# Altium PCB RTM_SFP.PcbDoc (part 3 of 5) (continued)
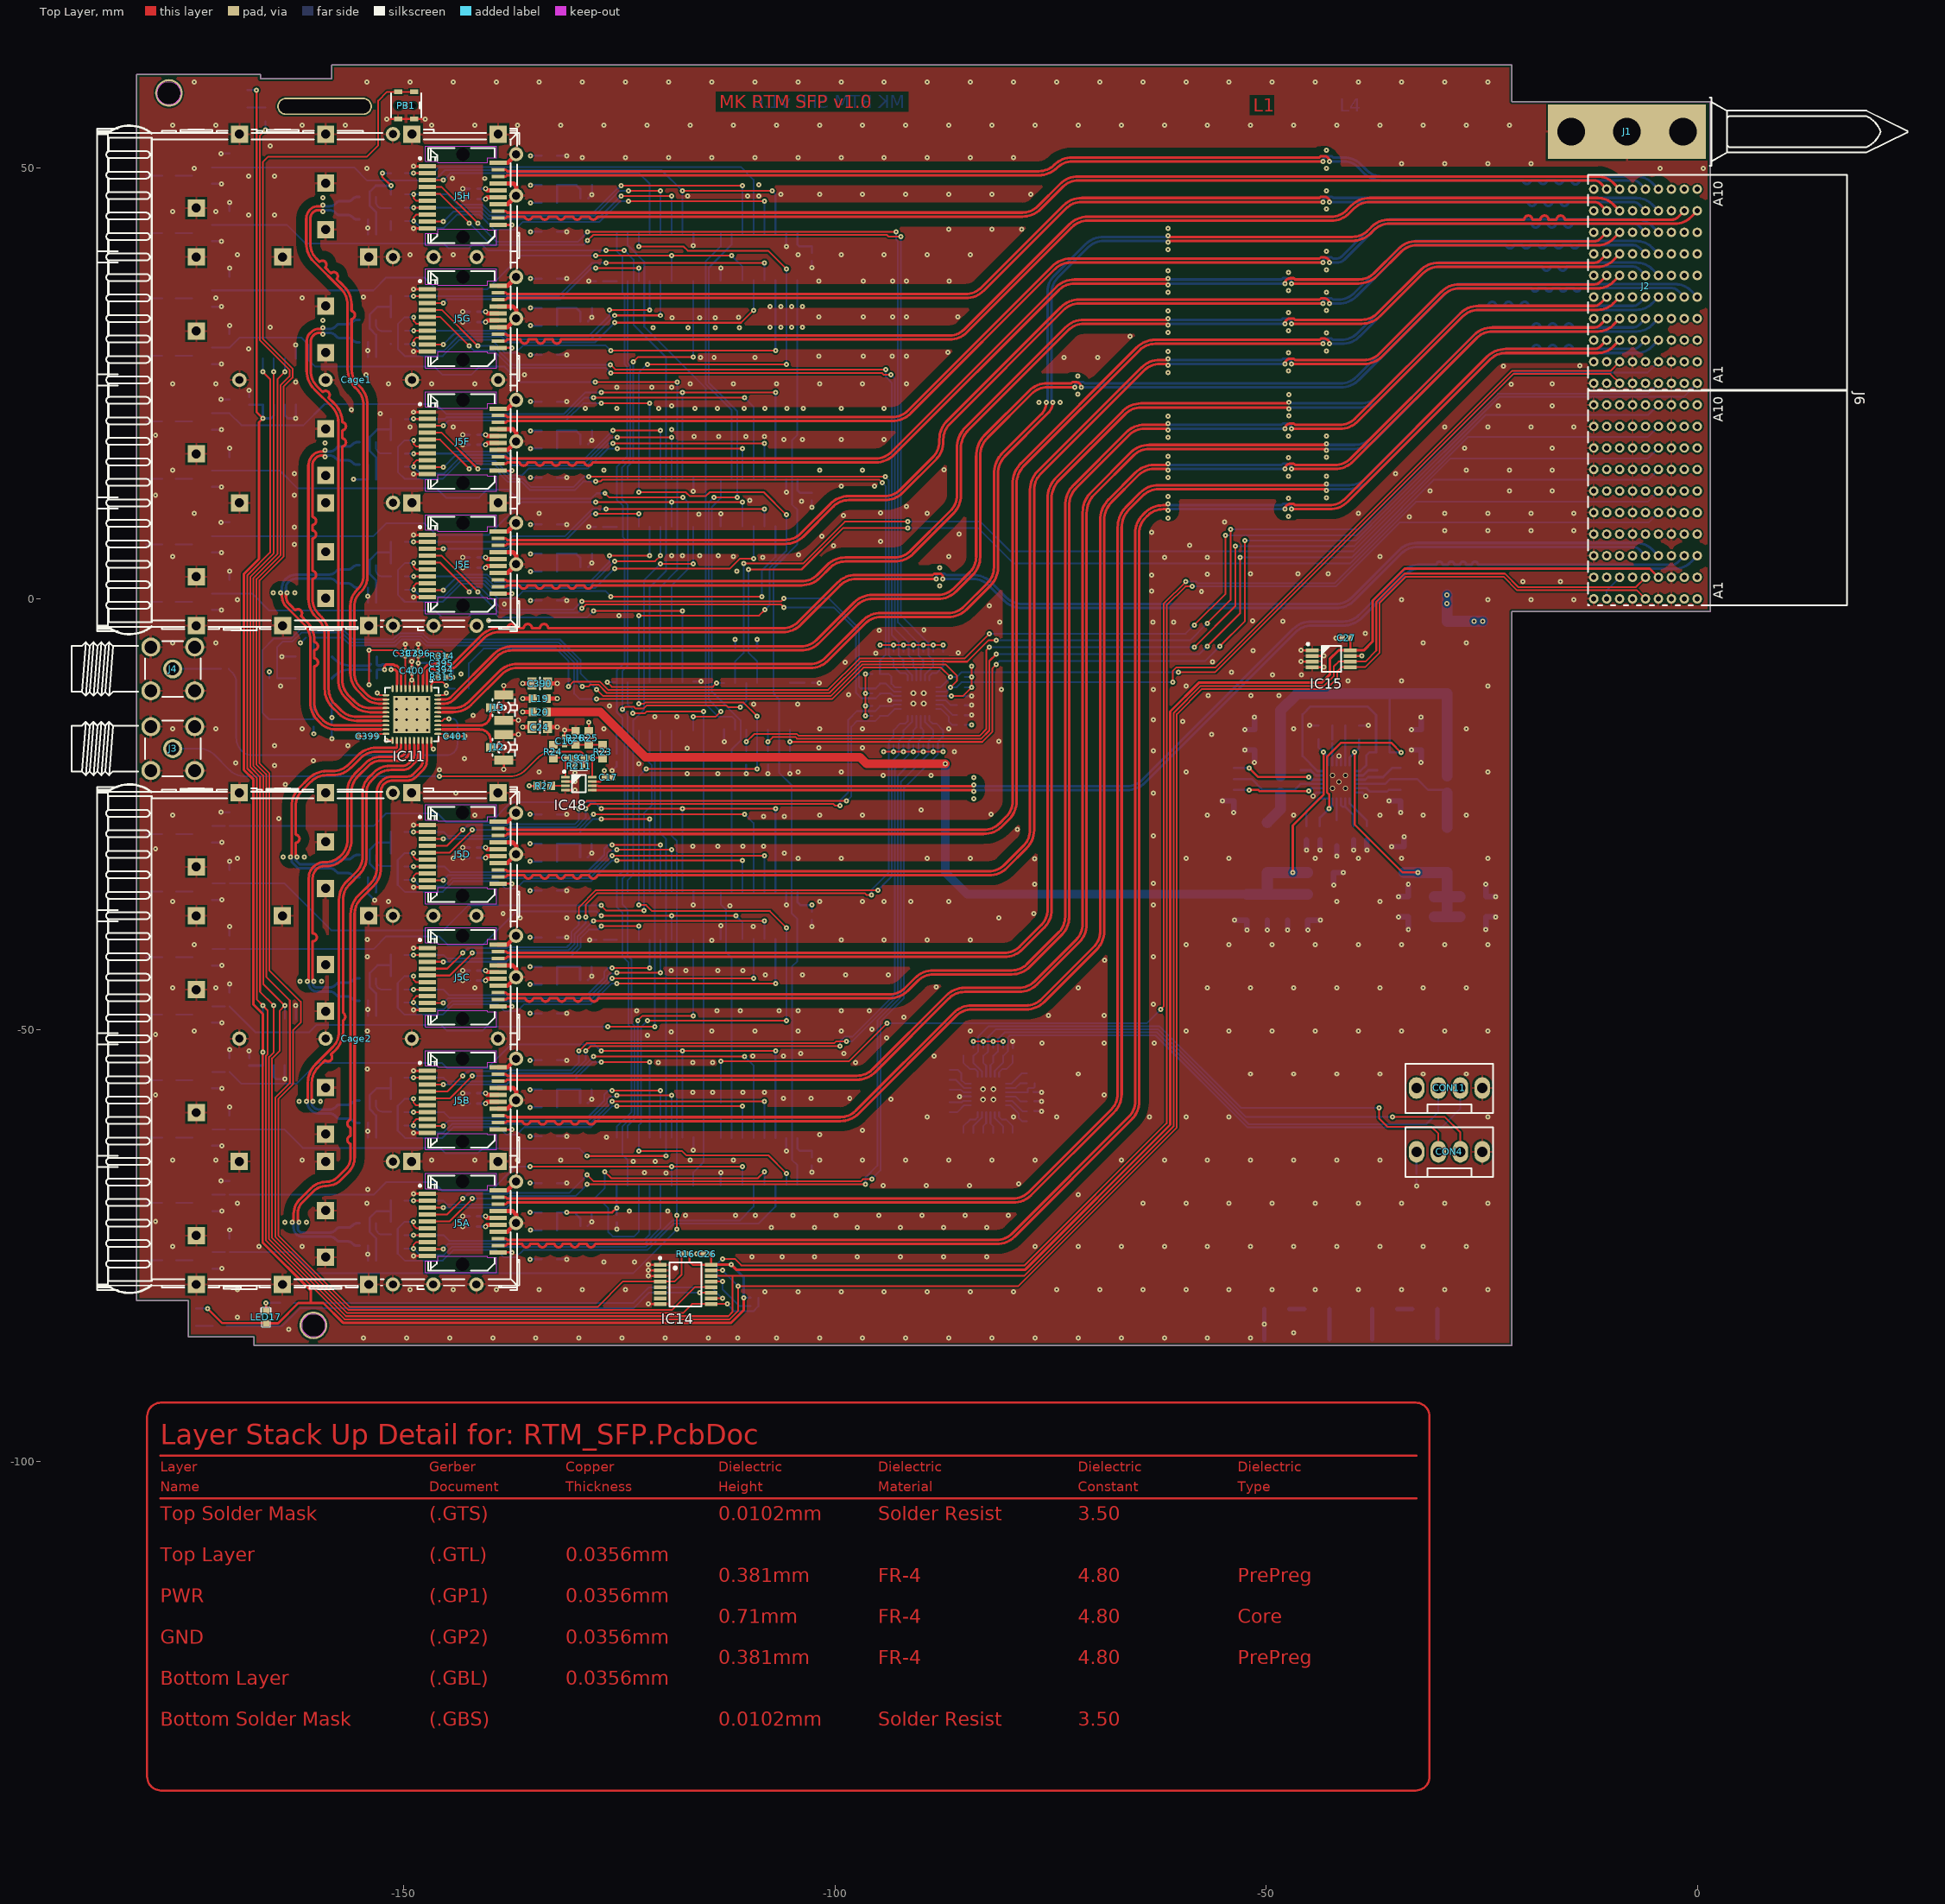
[diagram p0: Top Layer view]
## Nets (pads, with @x,y where several pads share a name; then routed paths per layer and width w, separated by ;. In a path a pad name is that pad's centre, name@x,y a point inside that pad or via, vN(x,y) a via of type N, cw(c..) or ccw(c..) an arc to the next point about the centre after c; other vN are vias at no path point) (continued)
NetLD2H_1: LD2H.1 R11H.2 | length 1.9
  Bottom Layer w0.203: LD2H.1@-179.925,42.425 R11H.2@-178.05,42.425
NetR1A_1: R1A.1 T2A.3 | length 1.9
  Bottom Layer w0.203: R1A.1@-176.41,-70.051 T2A.3@-174.51,-70.051
NetR1B_1: R1B.1 T2B.3 | length 1.9
  Bottom Layer w0.203: R1B.1@-176.425,-55.8 T2B.3@-174.525,-55.8
NetR1C_1: R1C.1 T2C.3 | length 1.9
  Bottom Layer w0.203: R1C.1@-176.425,-41.55 T2C.3@-174.525,-41.55
NetR1D_1: R1D.1 T2D.3 | length 1.9
  Bottom Layer w0.203: R1D.1@-176.425,-27.3 T2D.3@-174.525,-27.3
NetR1E_1: R1E.1 T2E.3 | length 1.9
  Bottom Layer w0.203: R1E.1@-176.45,6.325 T2E.3@-174.55,6.325
NetR1F_1: R1F.1 T2F.3 | length 1.9
  Bottom Layer w0.203: R1F.1@-176.45,20.575 T2F.3@-174.55,20.575
NetR1G_1: R1G.1 T2G.3 | length 1.9
  Bottom Layer w0.203: R1G.1@-176.45,34.825 T2G.3@-174.55,34.825
NetR1H_1: R1H.1 T2H.3 | length 1.9
  Bottom Layer w0.203: R1H.1@-176.45,49.075 T2H.3@-174.55,49.075
NetR11A_1: R11A.1 T1A.3 | length 1.9
  Bottom Layer w0.203: R11A.1@-176.41,-76.701 T1A.3@-174.51,-76.701
NetR11B_1: R11B.1 T1B.3 | length 1.9
  Bottom Layer w0.203: R11B.1@-176.425,-62.45 T1B.3@-174.525,-62.45
NetR11C_1: R11C.1 T1C.3 | length 1.9
  Bottom Layer w0.203: R11C.1@-176.425,-48.2 T1C.3@-174.525,-48.2
NetR11D_1: R11D.1 T1D.3 | length 1.9
  Bottom Layer w0.203: R11D.1@-176.425,-33.95 T1D.3@-174.525,-33.95
NetR11E_1: R11E.1 T1E.3 | length 1.9
  Bottom Layer w0.203: R11E.1@-176.45,-0.325 T1E.3@-174.55,-0.325
NetR11F_1: R11F.1 T1F.3 | length 1.9
  Bottom Layer w0.203: R11F.1@-176.45,13.925 T1F.3@-174.55,13.925
NetR11G_1: R11G.1 T1G.3 | length 1.9
  Bottom Layer w0.203: R11G.1@-176.45,28.175 T1G.3@-174.55,28.175
NetR11H_1: R11H.1 T1H.3 | length 1.9
  Bottom Layer w0.203: R11H.1@-176.45,42.425 T1H.3@-174.55,42.425
NetR19_2: R19.2 R20.1 | length 1.8
  Bottom Layer w0.5: R20.1@-34.8,-82.339 R19.2@-33.05,-82.339
NetR21_2: R21.2 R22.1 | length 1.7
  Bottom Layer w0.5: R22.1@-47.32,-82.339 R21.2@-45.575,-82.339
P2: IC14.12 R7.1 | length 190.1
  Top Layer w0.203: v1(-166.07,54.36) -166.723,53.707 -166.723,30.015 -163.266,26.559 -163.266,25.798 -164.325,24.74 -164.325,5.053 -167.094,2.284 -167.094,-19.227 -165.975,-20.346 -165.975,-43.815 -163.23,-46.56 -163.23,-56.14 -164.93,-57.84 -164.93,-73.963 -156.431,-82.462 -118.912,-82.462 -116.265,-79.815 IC14.12@-114.38,-79.815
  Bottom Layer w0.203: v1(-166.07,54.36) R7.1@-166.07,55.386
P2_BLUE: LDy.1 R7.2 | length 2.1
  Bottom Layer w0.203: LDy.1@-168.151,56.986 R7.2@-166.07,56.986
P2V5: C176.2 C179.2 C180.2 C181.2 C182.2 IC16.1 L2.2 L20.1 R195.1 | length 130.5
  Top Layer w0.254: v1(-46.91,-31.73) -46.91,-26.28 -43.35,-22.72 v1(-43.35,-17.79)
  Top Layer w1: L20.1@-133.43,-13.12 -127.23,-13.12 -122,-18.35 -97.11,-18.35 -96.32,-19.14 v2(-87.21,-19.14)
  Bottom Layer w0.254: R195.1@-43.91,-16.27 -43.91,-17.24 -42.81,-18.34 IC16.1@-42.81,-19.27
  Bottom Layer w1: v2(-87.21,-19.14) -87.21,-31.7 -84.65,-34.26 C181.2@-52.23,-34.26
  Bottom Layer w1.27: C181.2@-52.23,-34.26 C182.2@-49.87,-34.26 ; C179.2@-45.17,-34.26 C180.2@-47.52,-34.26 C182.2@-49.87,-34.26 ; C176.2@-45.17,-31.73 L2.2@-49.87,-31.73 C182.2@-49.87,-34.26
P2V5_CLEAN: C24.2 C399.2 C400.2 C401.2 IC11.5 IC11.6 IC11.11 IC11.20 IC11.31 IC11.40 L20.2 | length 11.2
  Top Layer w0.203: v1(-153.09,-15.92) -152.83,-15.66 IC11.20@-152.08,-15.66 ; v1(-153.09,-10.9) -152.83,-11.16 IC11.11@-152.08,-11.16 ; IC11.6@-149.33,-10.41 -149.33,-9.64 v1(-149.08,-9.39) -148.83,-9.64 IC11.5@-148.83,-10.41 ; IC11.31@-146.08,-15.66 -145.33,-15.66 v1(-145.07,-15.92) ; IC11.40@-146.08,-11.16 -145.33,-11.16 v1(-145.07,-10.9)
  Top Layer w0.254: C399.2@-153.81,-15.92 v1(-153.09,-15.92) ; v1(-149.08,-9.39) C400.2@-149.08,-8.67 ; v1(-145.07,-15.92) C401.2@-144.35,-15.92
  Top Layer w0.5: v2(-136.23,-14.87) C24.2@-135.13,-14.87 ; v2(-136.23,-13.12) L20.2@-135.03,-13.12
P3: IC14.11 R8.1 | length 57.8
  Top Layer w0.203: v1(-115.705,-80.465) IC14.11@-114.38,-80.465
  Bottom Layer w0.203: R8.1@-170.575,-84.289 -164.089,-84.289 -162.06,-82.26 -123.4,-82.26 -121.605,-80.465 v1(-115.705,-80.465)
P3_GREEN: LDx.1 R8.2 | length 1.9
  Bottom Layer w0.203: LDx.1@-174.101,-84.289 R8.2@-172.175,-84.289
P3V3: C1.1 C2.1 C3.1 C4.1 C6.1 C7.1 C8.1 C13A.1 C13B.1 C13C.1 C13D.1 C13E.1 C13F.1 C13G.1 C13H.1 C15.2 C17.1 C20.1 C22.1 C23.1 C186A.1 C186B.1 C186C.1 C186D.1 C186E.1 C186F.1 C186G.1 C186H.1 C202A.2 C202B.2 C202C.2 C202D.2 C202E.2 C202F.2 C202G.2 C202H.2 C208.2 C209.2 C210.2 C213.2 C402.2 C403.2 C404.2 CON4.4 CON11.4 IC1.14 IC2.16 IC3.16 IC4.16 IC5.16 IC6.16 IC7.16 IC8.16 IC9.16 IC10.16 IC16.6 IC20A.1 IC20B.1 IC20C.1 IC20D.1 IC20E.1 IC20F.1 IC20G.1 IC20H.1 IC39.21 IC40.21 IC48.7 L1.2 L5A.1 L5B.1 L5C.1 L5D.1 L5E.1 L5F.1 L5G.1 L5H.1 L11A.1 L11B.1 L11C.1 L11D.1 L11E.1 L11F.1 L11G.1 L11H.1 L19.1 LD1A.2 LD1B.2 LD1C.2 LD1D.2 LD1E.2 LD1F.2 LD1G.2 LD1H.2 LD2A.2 LD2B.2 LD2C.2 LD2D.2 LD2E.2 LD2F.2 LD2G.2 LD2H.2 R25.1 R27.2 R28.2 R29.2 R53.2 R316.2 R317.2 R318.2 R319.2 R320.2 R321.2 R322.2 R323.2 R324.2 R325.2 R328.1 R329.2 R330.2 R331.2 R332.2 R333.2 R334.2 R335.2 R336.2 R337.2 R338.2 R339.2 R340.2 R341.2 R342.2 R343.2 R344.2 R345.2 R346.2 R350.2 R351.2 R352.2 R353.2 R354.2 R355.2 R356.2 R357.2 R400A.2 R400B.2 R400C.2 R400D.2 R400E.2 R400F.2 R400G.2 R400H.2 R403A.2 R403B.2 R403C.2 R403D.2 R403E.2 R403F.2 R403G.2 R403H.2 R404A.2 R404B.2 R404C.2 R404D.2 R404E.2 R404F.2 R404G.2 R404H.2 | length 266.4
  Top Layer w0.203: C17.1@-126.74,-20.69 v1(-126.74,-19.91) ; v1(-96.485,-13.57) v1(-96.485,-12.425) v1(-96.485,-10.98) v1(-96.485,-8.685) ; v1(-94.76,-5.365) v1(-93.205,-5.365) v1(-92.06,-5.365) v1(-90.91,-5.365) v1(-89.76,-5.365) v1(-88.615,-5.365) v1(-87.47,-5.365) ; v1(-94.375,-17.7) v1(-93.205,-17.7) v1(-92.06,-17.7) v1(-90.91,-17.7) v1(-89.76,-17.7) v1(-88.615,-17.7) v1(-87.47,-17.7) ; v1(-86.53,-11.28) -85.195,-11.28 v1(-84.15,-10.235) v1(-84.15,-9.08) v1(-84.15,-7.825) ; v1(-83.971,-51.29) v1(-82.821,-51.29) v1(-81.671,-51.29) v1(-80.526,-51.29)
  Top Layer w0.254: v1(-152.515,49.35) -152.515,48.93 v1(-151.5,47.915) ; v1@-135.51,-21.69 R27.2@-134.5,-21.69 ; v1(-131.129,-71.15) -125.84,-71.15 v1(-125.32,-70.63) ; R25.1@-128.54,-15.32 v1(-128.54,-14.31) ; IC48.7@-128.15,-21.19 -127.24,-21.19 C17.1@-126.74,-20.69 ; v1(-39.73,-17.79) -39.73,-26.17 -34.17,-31.73 v1(-32.41,-31.73)
  Top Layer w0.5: L19.1@-133.43,-11.57 v2(-132.23,-11.57)
  Bottom Layer w0.203: C3.1@-102.7,-64.794 -102.7,-64.004 ; C4.1@-102.7,-36.294 v1(-102.7,-35.504) ; C8.1@-102.7,40.086 -102.7,40.876 ; v1(-96.485,-13.57) R322.2@-95.695,-13.57 ; v1(-96.485,-12.425) R323.2@-95.695,-12.425 ; v1(-96.485,-10.98) R329.2@-95.695,-10.98 ; v1(-96.485,-8.685) R331.2@-95.695,-8.685 ; v1(-93.205,-17.7) R321.2@-93.205,-16.91 ; R332.2@-93.205,-6.155 v1(-93.205,-5.365) ; v1(-92.06,-17.7) R320.2@-92.06,-16.91 ; R333.2@-92.06,-6.155 v1(-92.06,-5.365) ; v1(-90.91,-17.7) R319.2@-90.91,-16.91 ; R334.2@-90.91,-6.155 v1(-90.91,-5.365) ; v1(-89.76,-17.7) R318.2@-89.76,-16.91 ; R335.2@-89.76,-6.155 v1(-89.76,-5.365) ; v1(-88.615,-17.7) R317.2@-88.615,-16.91 ; R336.2@-88.615,-6.155 v1(-88.615,-5.365) ; IC39.21@-88.269,-11.28 v1(-86.53,-11.28) C404.2@-85.74,-11.28 ; v1(-87.47,-17.7) R316.2@-87.47,-16.91 ; R328.1@-87.47,-6.155 v1(-87.47,-5.365) ; R28.2@-84.94,-14.62 v1(-84.15,-14.62) ; R324.2@-84.94,-10.235 v1(-84.15,-10.235) ; R325.2@-84.94,-9.08 v1(-84.15,-9.08) ; R354.2@-83.971,-52.08 v1(-83.971,-51.29) ; R355.2@-82.821,-52.08 v1(-82.821,-51.29) ; R356.2@-81.671,-52.08 v1(-81.671,-51.29) ; R357.2@-80.526,-52.08 v1(-80.526,-51.29) ; IC40.21@-80.18,-57.21 C402.2@-77.651,-57.21 -77.651,-56.851 -77.519,-56.719 -76.969,-56.719 -76.851,-56.601 R345.2@-76.851,-56.165
  Bottom Layer w0.254: C202D.2@-153.26,-34.01 -153.23,-34.01 IC20D.1@-153.23,-32.3 -153.23,-31.45 -153.95,-30.73 -153.95,-29.075 -153.12,-28.245 -151.514,-28.245 ; C202A.2@-153.23,-76.711 IC20A.1@-153.23,-75.001 -153.23,-74.145 -153.975,-73.4 -153.975,-71.8 -153.17,-70.995 -151.514,-70.995 ; C202B.2@-153.23,-62.46 IC20B.1@-153.23,-60.75 -153.23,-59.9 -153.95,-59.18 -153.95,-57.525 -153.17,-56.745 -151.514,-56.745 ; C202C.2@-153.23,-48.31 IC20C.1@-153.23,-46.6 -153.23,-45.75 -153.95,-45.03 -153.95,-43.375 -153.07,-42.495 -151.514,-42.495 ; C202E.2@-153.23,-0.41 IC20E.1@-153.23,1.3 -153.23,2.15 -153.95,2.87 -153.95,4.525 -153.09,5.385 -151.5,5.385 ; C202F.2@-153.23,13.85 IC20F.1@-153.23,15.56 -153.23,16.41 -153.95,17.13 -153.95,18.785 -153.1,19.635 -151.5,19.635 ; C202G.2@-153.23,28.05 IC20G.1@-153.23,29.76 -153.23,30.61 -153.95,31.33 -153.95,32.985 -153.05,33.885 -151.5,33.885 ; C202H.2@-153.23,42.29 IC20H.1@-153.23,44 -153.23,44.85 -153.95,45.57 -153.95,47.225 -153.26,47.915 v1(-151.5,47.915) R403H.2@-151.5,46.9 ; v1(-152.515,49.35) R400H.2@-151.5,49.35 ; R403A.2@-151.514,-72.23 -151.514,-70.995 ; R400A.2@-151.514,-69.78 -151.514,-70.995 ; R403B.2@-151.514,-57.98 -151.514,-56.745 ; R400B.2@-151.514,-55.53 -151.514,-56.745 ; R403C.2@-151.514,-43.73 -151.514,-42.495 ; R400C.2@-151.514,-41.28 -151.514,-42.495 ; R403D.2@-151.514,-29.48 -151.514,-28.245 ; R400D.2@-151.514,-27.03 -151.514,-28.245 ; R403E.2@-151.5,4.15 -151.5,5.385 ; R400E.2@-151.5,6.6 -151.5,5.385 ; R403F.2@-151.5,18.4 -151.5,19.635 ; R400F.2@-151.5,20.85 -151.5,19.635 ; R404G.2@-151.5,29.545 R404G.2@-151.5,29.555 ; R403G.2@-151.5,32.65 -151.5,33.885 ; R400G.2@-151.5,35.1 -151.5,33.885 ; -151.5,42.77 R404H.2@-151.5,43.805 ; L5A.1@-132.264,-71.15 L5A.1@-132.25,-71.15 ; L5B.1@-132.264,-56.9 L5B.1@-132.25,-56.9 ; L5C.1@-132.264,-42.65 L5C.1@-132.25,-42.65 -129.564,-42.65 C186C.1@-129.564,-44.2 ; L5D.1@-132.264,-28.4 L5D.1@-132.25,-28.4 ; L11A.1@-132.25,-73.2 L5A.1@-132.25,-71.15 ; L11B.1@-132.25,-58.95 L5B.1@-132.25,-56.9 ; L11C.1@-132.25,-44.7 L5C.1@-132.25,-42.664 ; L11D.1@-132.25,-30.45 L5D.1@-132.25,-28.4 ; L11E.1@-132.25,3.18 L5E.1@-132.25,5.23 C13E.1@-130,5.23 -129.55,4.78 C186E.1@-129.55,3.68 ; L11F.1@-132.25,17.43 L5F.1@-132.25,19.48 C13F.1@-130,19.48 -129.55,19.03 C186F.1@-129.55,17.93 ; L11G.1@-132.25,31.68 L5G.1@-132.25,33.73 C13G.1@-130,33.73 -129.55,33.28 C186G.1@-129.55,32.18 ; L11H.1@-132.25,45.93 L5H.1@-132.25,47.98 C13H.1@-130,47.98 -129.55,47.53 C186H.1@-129.55,46.43 ; C186B.1@-129.564,-58.45 -129.564,-56.9 L5B.1@-132.25,-56.9 ; C186D.1@-129.564,-29.95 -129.564,-28.4 L5D.1@-132.25,-28.4 ; C186A.1@-129.557,-72.707 -129.557,-71.818 -130.014,-71.361 -130.014,-71.15 v1(-131.129,-71.15) L5A.1@-132.25,-71.15 ; C7.1@-126.86,8.342 IC4.16@-125.315,8.342 ; C6.1@-126.86,36.842 IC3.16@-125.315,36.842 ; C22.1@-126.77,-39.538 IC6.16@-125.315,-39.538 ; C2.1@-125.32,-71.405 v1(-125.32,-70.63) -125.315,-70.625 IC8.16@-125.315,-68.038 ; C1.1@-125.315,-17.965 IC10.16@-125.315,-15.263 ; IC1.14@-105.23,-9.75 C23.1@-103.54,-9.75 ; IC9.16@-104.37,-62.544 -104.37,-63.74 -104.106,-64.004 -102.7,-64.004 ; IC7.16@-104.37,-34.044 -104.37,-35.15 -104.016,-35.504 v1(-102.7,-35.504) ; IC5.16@-104.37,13.836 -104.37,12.64 -104.016,12.286 C20.1@-102.7,12.286 ; IC2.16@-104.37,42.336 -104.37,41.1 -104.146,40.876 -102.7,40.876 ; IC16.6@-40.31,-19.27 -40.31,-18.37 -39.21,-17.27 R53.2@-39.21,-16.27 ; C403.2@-32.56,-66.66 CON4.4@-32.56,-64.114
  Bottom Layer w1.27: C209.2@-34.02,-31.73 v1(-32.41,-31.73) L1.2@-29.02,-31.73 -29.02,-34.53 ; C210.2@-30.52,-36.88 -29.02,-36.88 ; C208.2@-30.52,-34.53 -29.02,-34.53 ; C213.2@-27.52,-36.88 -29.02,-36.88 ; C15.2@-27.52,-34.53 -29.02,-34.53 ; -29.02,-36.88 -29.02,-34.53
  other v1: -135.48,-21.69
P3V3_CLEAN: C390.2 C391.2 L19.2 OSC1.6 R309.2 R310.2 R311.2 | length 7.5
  Top Layer w0.5: v2(-136.23,-11.57) L19.2@-135.03,-11.57 ; v2(-136.23,-9.82) C390.2@-135.13,-9.82
  Bottom Layer w0.203: R311.2@-165.63,-9.23 v1(-165.63,-8.45) ; v1(-161.98,-5.12) R309.2@-161.36,-4.5
  Bottom Layer w0.254: v1(-160.46,-15.64) R310.2@-160.46,-14.86 ; C391.2@-158.36,-14.57 v1(-158.36,-13.74) OSC1.6@-158.36,-11.77
P3V3MP: C21.1 C25.1 C26.1 C27.1 IC12.8 IC13.7 IC13.8 IC14.16 IC15.8 J6.C2 LDx.2 LDy.2 LED17.A R14.1 R16.1 | length 410.7
  Top Layer w0.254: v1(-172.771,-82.289) -171.071,-83.989 LED17.A@-166.001,-83.989 ; v1(-167.104,58.986) -167.104,21.673 v1(-166.36,20.93) ; -166.377,-74.627 -166.377,-52.573 v1(-166.36,-52.557) ; R16.1@-116.89,-75.96 -116.89,-76.82 -116.495,-77.215 IC14.16@-114.38,-77.215 C26.1@-114.38,-75.96 ; IC15.8@-40.24,-5.965 C27.1@-40.24,-4.53
  Top Layer w0.3: -166.377,-74.627 -160.79,-80.214 -160.79,-81.65 ; v1(-166.36,-52.557) -166.36,-48.14 -167.447,-47.053 -167.447,-20.953 -168.564,-19.836 -168.564,2.893 -166.818,4.639 -166.818,20.472 v1(-166.36,20.93) ; LED17.A@-166.001,-83.989 -164.589,-83.989 -162.25,-81.65 -159.354,-81.65 -157.072,-83.932 -112.037,-83.932 -110.58,-82.475 v1(-110.58,-81.03) ; IC14.16@-114.38,-77.215 v1(-112.03,-77.215) -111.47,-77.775 -77.927,-77.775 -61.13,-60.978 -61.13,-13.066 -57.754,-9.69 -43.518,-9.69 -42.619,-8.791 -42.619,-6.969 -41.615,-5.965 IC15.8@-40.24,-5.965 -38.675,-5.965 -37.64,-4.93 -37.64,-0.19 -33.95,3.5 -5.5,3.5 J6.C2@-4.5,2.5
  Bottom Layer w0.254: LDx.2@-174.101,-82.289 v1(-172.771,-82.289) ; LDy.2@-168.151,58.986 v1(-167.104,58.986) ; C21.1@-167.94,-54.114 IC12.8@-166.36,-54.114 v1(-166.36,-52.557) ; C25.1@-167.94,22.486 IC13.8@-166.36,22.486 v1(-166.36,20.93) -165.41,20.93 -165.09,21.25 IC13.7@-165.09,22.486 ; v1(-110.58,-81.03) R14.1@-109.81,-81.03
  Bottom Layer w0.3: v1(-112.03,-77.215) -110.58,-78.665 v1(-110.58,-81.03)
P4: IC14.10 R9.1 | length 52.3
  Top Layer w0.203: IC14.10@-114.38,-81.115 v1(-113.055,-81.115)
  Bottom Layer w0.203: R9.1@-162.78,-81.63 -123.38,-81.63 -121.58,-79.83 -114.34,-79.83 v1(-113.055,-81.115)
P4_RED: LED17.K R9.2 | length 2.6
  Top Layer w0.254: LED17.K@-166.001,-82.592 v1(-166.001,-81.63)
  Bottom Layer w0.254: v1(-166.001,-81.63) R9.2@-164.38,-81.63
P12V: C9.2 C10.2 C12.2 C14.2 C84.1 F1.2 IC16.17 R17.1 T5.5 T5.6 T6.5 T6.6 | length 65
  Top Layer w0.254: v1(-42.7,-24.31) -42.7,-22.675 -42.944,-22.431 -42.944,-18.319 -41.3,-16.675 -35.495,-16.675 v1(-34.37,-17.8)
  Bottom Layer w0.254: C84.1@-43.76,-26.37 -43.76,-25.37 v1(-42.7,-24.31) -42.31,-23.92 IC16.17@-42.31,-23.17 ; -35.65,-11.02 R17.1@-35.65,-17.8 v1(-34.37,-17.8)
  Bottom Layer w1.27: -48.35,-20.55 T5.5@-48.35,-19.615 C9.2@-48.35,-17.51 C10.2@-48.35,-15.16 -48.35,-12.97 -46.37,-10.99 F1.2@-29.02,-10.99 C14.2@-29.02,-15.16 C12.2@-29.02,-17.51 T6.5@-29.02,-19.615 -29.02,-20.55
RTM_IO0: IC14.13 J6.C5 R15.2 | length 189.7
  Top Layer w0.203: IC14.13@-114.38,-79.165 v1(-113.055,-79.165) ; v1(-113.055,-76.53) -111.62,-76.53 -110.875,-77.275 -77.998,-77.275 -61.534,-60.811 -61.534,-0.724 -59.372,1.438 v1(-58.56,1.438)
  Bottom Layer w0.203: v1(-113.055,-76.53) -113.7,-77.175 -113.7,-78.52 v1(-113.055,-79.165) -113.055,-80.045 -111.12,-81.98 R15.2@-109.81,-81.98 ; v1@-58.59,1.438 -41.942,1.438 -34.53,8.85 -5.65,8.85 J6.C5@-4.5,10
RTM_IO1: J6.C6 R6.2 | length 168.5
  Top Layer w0.203: v1(-113.26,-53.624) -98.384,-53.624 v1(-93.948,-49.188) ; v1(-62.25,-47.62) -61.889,-47.259 -61.889,-0.577 -59.313,2 v1(-59.31,2)
  Bottom Layer w0.203: R6.2@-113.26,-58.44 v1(-113.26,-53.624) ; v1(-93.948,-49.188) -63.818,-49.188 v1(-62.25,-47.62) ; v1(-59.31,2) -58.08,2 -57.874,1.794 -42.089,1.794 -32.633,11.25 -5.75,11.25 J6.C6@-4.5,12.5
RTM_IO2: IC1.11 J6.C7 R5.2 | length 127.3
  Top Layer w0.203: v1(-110.03,3.41) -103.88,3.41 -99.09,8.2 v1(-91.57,8.2)
  Bottom Layer w0.203: v1(-110.03,3.41) -110.03,-6.26 R5.2@-109.04,-7.25 IC1.11@-109.04,-9.75 ; v1(-91.57,8.2) -83.387,8.2 -79.277,4.09 -40.296,4.09 -39.588,4.798 -30.586,13.8 -5.7,13.8 J6.C7@-4.5,15
RTM_IO3: IC1.3 J6.C8 R13.2 | length 128.7
  Top Layer w0.203: v1(-107.77,-16.59) -107.216,-16.036 -104.578,-16.036 -104.38,-16.234 -83.077,-16.234 -82.106,-15.263 -82.106,-7.206 v1(-81.3,-6.4) ; v1(-56.83,-5.5) -53.02,-1.69 v1(-53.02,4.81)
  Bottom Layer w0.203: R13.2@-107.77,-17.65 v1(-107.77,-16.59) IC1.3@-107.77,-15.15 ; v1(-81.3,-6.4) -57.73,-6.4 v1(-56.83,-5.5) ; v1(-53.02,4.81) -40.078,4.81 -39.839,5.049 ; -39.758,5.13 -39.839,5.049 ; J6.C8@-4.5,17.5 -5.71,16.29 -28.598,16.29 -39.839,5.049
RTM_IO4: IC1.9 J6.C9 R2.2 | length 129.8
  Top Layer w0.203: v1(-110.61,4.09) -103.72,4.09 -98.85,8.96 v1(-91.57,8.96)
  Bottom Layer w0.203: IC1.9@-111.58,-9.75 R2.2@-111.58,-7.25 -110.61,-6.28 v1(-110.61,4.09) ; v1(-91.57,8.96) -83.141,8.96 -79.701,5.52 -39.871,5.52 -26.621,18.77 -5.73,18.77 J6.C9@-4.5,20
RTM_IO5: IC1.5 J6.C10 R3.2 | length 134.1
  Top Layer w0.203: v1(-110.3,-16.59) -109.39,-15.68 -104.41,-15.68 -104.211,-15.879 -83.225,-15.879 -82.461,-15.115 -82.461,-5.981 v1(-82.09,-5.61) ; v1(-58.34,-5.61) -53.58,-0.85 v1(-53.58,6.12)
  Bottom Layer w0.203: R3.2@-110.3,-17.65 v1(-110.3,-16.59) IC1.5@-110.3,-15.16 ; v1(-82.09,-5.61) v1(-58.34,-5.61) ; v1(-53.58,6.12) -39.774,6.12 -35.667,10.227 -24.564,21.33 -5.67,21.33 J6.C10@-4.5,22.5
RTM_IO6: IC1.1 J2.A1 R4.2 | length 134.7
  Top Layer w0.203: v1(-105.23,-16.59) -82.93,-16.59 -81.75,-15.41 -81.75,-8.04 v1(-81.3,-7.59) ; v1(-55.38,-5.5) -52.46,-2.58 v1(-52.46,6.76)
  Bottom Layer w0.203: R4.2@-105.23,-17.65 v1(-105.23,-16.59) IC1.1@-105.23,-15.15 ; v1(-81.3,-7.59) -80.9,-7.19 -57.07,-7.19 v1(-55.38,-5.5) ; v1(-52.46,6.76) -39.637,6.76 -35.919,10.479 -22.978,23.419 -1.581,23.419 J2.A1@0,25
RTM_IO7: J2.A2
RTM_IO8: J2.C1 R391.2 | length 164.6
  Top Layer w0.203: v1(-130.9,-10.17) -130.321,-9.591 -127.293,-9.591 -126.33,-10.554 -100.799,-10.554 -97.154,-6.909 -86.856,-6.909 -86.84,-6.925 -84.985,-6.925 v1(-82.09,-4.03) ; v1@-58.335,-3.035 -54.7,0.6 v1(-54.7,7.36)
  Bottom Layer w0.203: R391.2@-142.46,-10.41 -142.46,-7.47 -140.755,-5.765 -132.355,-5.765 -130.9,-7.22 v1(-130.9,-10.17) ; v1@-82.19,-4.03 -59.34,-4.03 v1(-58.34,-3.03) ; v1(-54.7,7.36) -39.54,7.36 -36.17,10.73 -23.126,23.774 -5.726,23.774 J2.C1@-4.5,25
RTM_IO9: J2.C2 OSC1.2 R311.1 | length 192.4
  Top Layer w0.203: v1(-129.29,-10.17) -128.59,-10.17 -128.366,-9.946 -127.441,-9.946 -126.477,-10.909 -100.652,-10.909 -97.007,-7.264 -87.003,-7.264 -86.987,-7.28 -84.67,-7.28 -82.21,-4.82 v1(-81.3,-4.82) ; v1@-56.84,-2.84 -54.14,-0.14 v1(-54.14,8.05)
  Bottom Layer w0.203: OSC1.2@-162.56,-9.23 R311.1@-164.73,-9.23 -164.73,-5.64 -164.036,-4.946 -162.933,-4.946 -161.897,-3.91 -157.197,-3.91 -156.073,-5.035 -151.107,-5.035 -150.433,-4.361 -147.953,-4.361 -147.259,-5.055 -132.06,-5.055 -129.889,-7.226 -129.889,-9.571 v1(-129.29,-10.17) ; v1(-81.3,-4.82) -58.82,-4.82 v1@-56.84,-2.84 ; v1(-54.14,8.05) -39.353,8.05 -36.421,10.981 -21.147,26.256 -5.744,26.256 J2.C2@-4.5,27.5
  other v1: -56.83,-2.85
RTM_IO10: IC39.19 J2.E1 OSC1.8 R309.1 R325.1 | length 178.1
  Top Layer w0.203: v1(-127.67,-11.62) -100.357,-11.62 -96.712,-7.975 -87.71,-7.975 v1(-86.605,-9.08) ; v1(-60.16,-8.49) -55.917,-8.49 -21.353,26.075 -10.075,26.075 J2.E1@-9,25
  Bottom Layer w0.203: OSC1.8@-160.46,-6.378 R309.1@-160.46,-4.5 -157.11,-4.5 -156.22,-5.39 -150.96,-5.39 -150.286,-4.716 -148.101,-4.716 -147.407,-5.41 -132.207,-5.41 -130.245,-7.373 -130.245,-10.985 -129.61,-11.62 v1(-127.67,-11.62) ; IC39.19@-88.269,-10.28 -87.805,-10.28 v1(-86.605,-9.08) R325.1@-85.84,-9.08 -85.84,-9.021 -85.309,-8.49 v1(-60.16,-8.49)
RTM_IO11: IC39.20 J2.E2 OSC1.7 R310.1 R324.1 | length 201.2
  Top Layer w0.203: v1(-127.67,-10.5) -126.905,-11.265 -100.505,-11.265 -96.86,-7.62 -87.15,-7.62 -85.84,-8.93 -85.84,-9.47 v1(-86.605,-10.235) ; v1(-60.841,-9.681) -60.841,-8.388 -60.389,-7.936 -55.866,-7.936 -21.5,26.43 -10.07,26.43 J2.E2@-9,27.5
  Bottom Layer w0.203: OSC1.7@-160.46,-12.083 R310.1@-160.46,-13.96 -165.66,-13.96 -166.4,-13.22 -166.4,-5.93 -165.06,-4.59 -163.08,-4.59 -162.71,-4.22 -162.044,-3.555 -157.05,-3.555 -155.926,-4.679 -151.254,-4.679 -150.581,-4.005 -147.806,-4.005 -147.112,-4.699 -131.913,-4.699 -129.534,-7.078 -129.534,-8.636 v1(-127.67,-10.5) ; IC39.20@-88.269,-10.78 -87.15,-10.78 v1(-86.605,-10.235) R324.1@-85.84,-10.235 -85.84,-10.176 -85.345,-9.681 v1(-60.841,-9.681)
RTM_IO12: J6.A7
RTM_LVD0_N: J6.F5
RTM_LVD0_P: J6.E5
RTM_LVD1_N: J6.F6
RTM_LVD1_P: J6.E6
RTM_LVD2_N: J6.F7
RTM_LVD2_P: J6.E7
RTM_LVD3_N: J6.F8
RTM_LVD3_P: J6.E8
RTM_LVD4_N: J6.F9
RTM_LVD4_P: J6.E9
RTM_LVD5_N: J6.F10
RTM_LVD5_P: J6.E10
RTM_LVD6_N: J6.B5
RTM_LVD6_P: J6.A5
RTM_LVD7_N: J6.B6
RTM_LVD7_P: J6.A6
SFP1RX_N: J2.F10 J5H.12 | length 132.2
  Top Layer w0.305: J5H.12@-139.075,44.156 -138.171,44.156 -137.999,44.328 -136.96,44.328 -136.02,44.328 ccw(c-135.55,44.461) -135.08,44.328 -134.141,44.328 ccw(c-133.671,44.461) -133.201,44.328 -132.261,44.328 ccw(c-131.791,44.461) -131.321,44.328 -130.381,44.328 ccw(c-129.912,44.461) -129.442,44.328 -128.502,44.328 ccw(c-128.032,44.461) -127.562,44.328 -127.33,44.328 -78.267,44.328 ccw(c-78.267,47.3) -76.165,45.198 -73.577,47.786 cw(c-71.781,45.99) -71.781,48.53 -11.933,48.53 cw(c-11.933,47.557) -11.245,48.245 J2.F10@-10.5,47.5
SFP1RX_P: J2.E10 J5H.13 | length 132.2
  Top Layer w0.305: J5H.13@-139.075,44.956 -138.171,44.956 -137.999,44.785 -78.277,44.785 ccw(c-78.277,47.325) -76.481,45.529 -73.9,48.11 cw(c-71.782,45.992) -71.782,48.987 -11.539,48.987 cw(c-11.539,46.447) -9.743,48.243 J2.E10@-9,47.5
SFP1TX_N: J2.D10 J5H.19 | length 136.8
  Top Layer w0.305: J5H.19@-139.075,49.756 -138.171,49.756 -137.999,49.585 -76.357,49.585 ccw(c-76.357,52.125) -74.561,50.329 cw(c-72.495,48.263) -72.495,51.185 -43.808,51.185 -43.661,51.332 -43.255,51.332 cw(c-43.255,50.728) v1(-42.65,50.728)
  Bottom Layer w0.305: v1@-42.502,50.728 -40.93,50.728 cw(c-40.93,48.541) -39.384,50.088 -38.701,49.404 ccw(c-36.59,51.516) -36.59,48.53 -20.36,48.53 -20.239,48.53 ccw(c-19.769,48.583) -19.299,48.53 -18.359,48.53 ccw(c-17.889,48.572) -17.419,48.53 -16.479,48.53 ccw(c-16.01,48.583) -15.54,48.53 -14.6,48.53 ccw(c-14.13,48.532) -13.66,48.53 -7.433,48.53 cw(c-7.433,47.557) -6.745,48.245 J2.D10@-6,47.5
SFP1TX_P: J2.C10 J5H.18 | length 136.7
  Top Layer w0.305: J5H.18@-139.075,48.956 -138.171,48.956 -137.999,49.128 -76.344,49.128 ccw(c-76.344,52.094) -74.247,49.997 ; -74.246,49.997 cw(c-72.482,48.232) -72.482,50.728 v1(-43.41,50.728)
  Bottom Layer w0.305: v1(-43.41,50.728) cw(c-42.805,50.728) -42.805,51.332 -42.399,51.332 -42.252,51.185 -40.924,51.185 cw(c-40.924,48.555) -39.065,50.415 -38.381,49.731 ccw(c-36.585,51.527) -36.585,48.987 -7.039,48.987 cw(c-7.039,46.447) -5.243,48.243 J2.C10@-4.5,47.5
SFP2RX_N: J2.F9 J5G.12 | length 136.8
  Top Layer w0.305: J5G.12@-139.075,29.906 -138.171,29.906 -137.999,30.078 -136.49,30.078 ccw(c-136.02,30.078) -135.55,30.078 -134.611,30.078 ccw(c-134.141,30.078) -133.671,30.078 -132.731,30.078 ccw(c-132.261,30.078) -131.791,30.078 -86.699,30.078 ccw(c-86.699,32.895) -84.707,30.903 -72.504,43.106 cw(c-70.708,41.31) -70.708,43.85 -42.451,43.85 ccw(c-42.451,46.799) -40.366,44.714 -39.794,45.286 cw(c-37.998,43.49) -37.998,46.03 -11.933,46.03 cw(c-11.933,45.057) -11.245,45.745 J2.F9@-10.5,45
SFP2RX_P: J2.E9 J5G.13 | length 136.8
  Top Layer w0.305: J5G.13@-139.075,30.706 -138.171,30.706 -137.999,30.535 -86.699,30.535 ccw(c-86.699,32.895) -85.03,31.226 -72.821,43.435 cw(c-70.716,41.33) -70.716,44.307 -42.475,44.307 ccw(c-42.475,46.847) -40.679,45.051 -40.124,45.606 cw(c-37.997,43.48) -37.997,46.487 -11.539,46.487 cw(c-11.539,43.947) -9.743,45.743 J2.E9@-9,45
SFP2TX_N: J2.D9 J5G.19 | length 139.9
  Top Layer w0.305: J5G.19@-139.075,35.506 -138.171,35.506 -137.999,35.335 -84.847,35.335 ccw(c-84.847,37.875) -83.051,36.079 -73.516,45.614 cw(c-71.408,43.506) -71.408,46.487 -43.804,46.487 -43.656,46.635 -43.251,46.635 cw(c-43.251,46.03) v1(-42.646,46.03)
  Bottom Layer w0.305: v1(-42.646,46.03) -20.57,46.03 -19.63,46.03 ccw(c-19.16,46.032) -18.69,46.03 -17.751,46.03 ccw(c-17.281,46.032) -16.811,46.03 -15.871,46.03 ccw(c-15.401,46.032) -14.931,46.03 -13.991,46.03 -13.19,46.03 -7.433,46.03 cw(c-7.433,45.057) -6.745,45.745 J2.D9@-6,45
SFP2TX_P: J2.C9 J5G.18 | length 139.9
  Top Layer w0.305: J5G.18@-139.075,34.706 -138.171,34.706 -137.999,34.878 -84.844,34.878 ccw(c-84.844,37.867) -82.73,35.753 -73.197,45.286 cw(c-71.401,43.49) -71.401,46.03 v1(-43.406,46.03)
  Bottom Layer w0.305: v1(-43.406,46.03) cw(c-42.801,46.03) -42.801,46.635 -42.395,46.635 -42.248,46.487 -7.039,46.487 cw(c-7.039,43.947) -5.243,45.743 J2.C9@-4.5,45
SFP3RX_N: J2.F8 J5F.12 | length 141.2
  Top Layer w0.305: J5F.12@-139.075,15.656 -138.171,15.656 -137.999,15.828 -137.53,15.828 -136.59,15.828 ccw(c-136.12,15.927) -135.65,15.828 -134.711,15.828 ccw(c-134.241,15.927) -133.771,15.828 -132.831,15.828 ccw(c-132.361,15.927) -131.891,15.828 -130.951,15.828 ccw(c-130.481,15.927) -130.012,15.828 -129.072,15.828 ccw(c-128.602,15.927) -128.132,15.828 -127.94,15.828 -95.26,15.828 ccw(c-95.26,18.792) -93.164,16.696 ; -93.164,16.696 -74.034,35.826 cw(c-72.238,34.03) -72.238,36.57 -61.518,36.57 v1(-61.37,36.422) ; v1(-47.808,36.57) cw(c-47.203,36.57) -47.203,37.175 -46.798,37.175 -46.65,37.027 -39.271,37.027 ccw(c-39.271,39.567) -37.475,37.771 -34.644,40.603 cw(c-32.55,38.509) -32.55,41.47 -11.933,41.47 ccw(c-11.933,42.443) -11.245,41.755 J2.F8@-10.5,42.5
  Bottom Layer w0.305: v1(-61.37,36.422) -61.222,36.57 v1@-47.956,36.57
SFP3RX_P: J2.E8 J5F.13 | length 141.1
  Top Layer w0.305: J5F.13@-139.075,16.456 -138.171,16.456 -137.999,16.285 -95.273,16.285 ccw(c-95.273,18.825) -93.477,17.029 -74.35,36.157 cw(c-72.248,34.055) -72.248,37.027 -61.518,37.027 v1(-61.37,37.175) ; v1(-47.048,36.57) -39.27,36.57 ccw(c-39.27,39.565) -37.153,37.447 -34.331,40.269 cw(c-32.535,38.473) -32.535,41.013 -11.539,41.013 ccw(c-11.539,43.553) -9.743,41.757 J2.E8@-9,42.5
  Bottom Layer w0.305: v1(-61.37,37.175) -61.222,37.027 -48.206,37.027 -48.059,37.175 -47.653,37.175 cw(c-47.653,36.57) v1(-47.048,36.57)
SFP3TX_N: J2.D8 J5F.19 | length 144.7
  Top Layer w0.305: J5F.19@-139.075,21.256 -138.171,21.256 -137.999,21.085 -93.347,21.085 ccw(c-93.347,23.625) -91.551,21.829 -74.801,38.579 cw(c-72.705,36.482) -72.705,39.447 ; -72.881,39.447 -43.814,39.447 -43.666,39.595 -43.261,39.595 cw(c-43.261,38.99) v1(-42.656,38.99)
  Bottom Layer w0.305: v1@-42.508,38.99 -41.77,38.99 ccw(c-41.77,40.173) -40.934,39.336 ; -40.934,39.336 -37.484,42.786 cw(c-35.688,40.99) -35.688,43.53 -20.15,43.53 -19.21,43.53 ccw(c-18.74,43.532) -18.27,43.53 -17.331,43.53 ccw(c-16.861,43.532) -16.391,43.53 -15.451,43.53 ccw(c-14.981,43.532) -14.511,43.53 -14.45,43.53 -7.433,43.53 cw(c-7.433,42.557) -6.745,43.245 J2.D8@-6,42.5
SFP3TX_P: J2.C8 J5F.18 | length 144.6
  Top Layer w0.305: J5F.18@-139.075,20.456 -138.171,20.456 -137.999,20.628 -93.347,20.628 ccw(c-93.347,23.625) -91.228,21.506 -74.487,38.246 cw(c-72.691,36.45) -72.691,38.99 v1(-43.416,38.99)
  Bottom Layer w0.305: v1(-43.416,38.99) cw(c-42.811,38.99) -42.811,39.595 -42.405,39.595 -42.258,39.447 -41.9,39.447 ccw(c-41.9,40.487) -41.165,39.751 ; -41.165,39.752 -37.807,43.11 cw(c-35.689,40.992) -35.689,43.987 -7.039,43.987 cw(c-7.039,41.447) -5.243,43.243 J2.C8@-4.5,42.5